# Altium PCB N-CW7Rev00.PcbDoc (part 3 of 4)
Units mm, origin at the board's own origin, x right, y up, seen from the top; angles counter-clockwise.
Board outline 137.9 x 91 mm, 2 copper layers (Top Layer, Bottom Layer), stack 1.54 mm thick; 332 components, 212 nets, 959 pads, 533 vias.
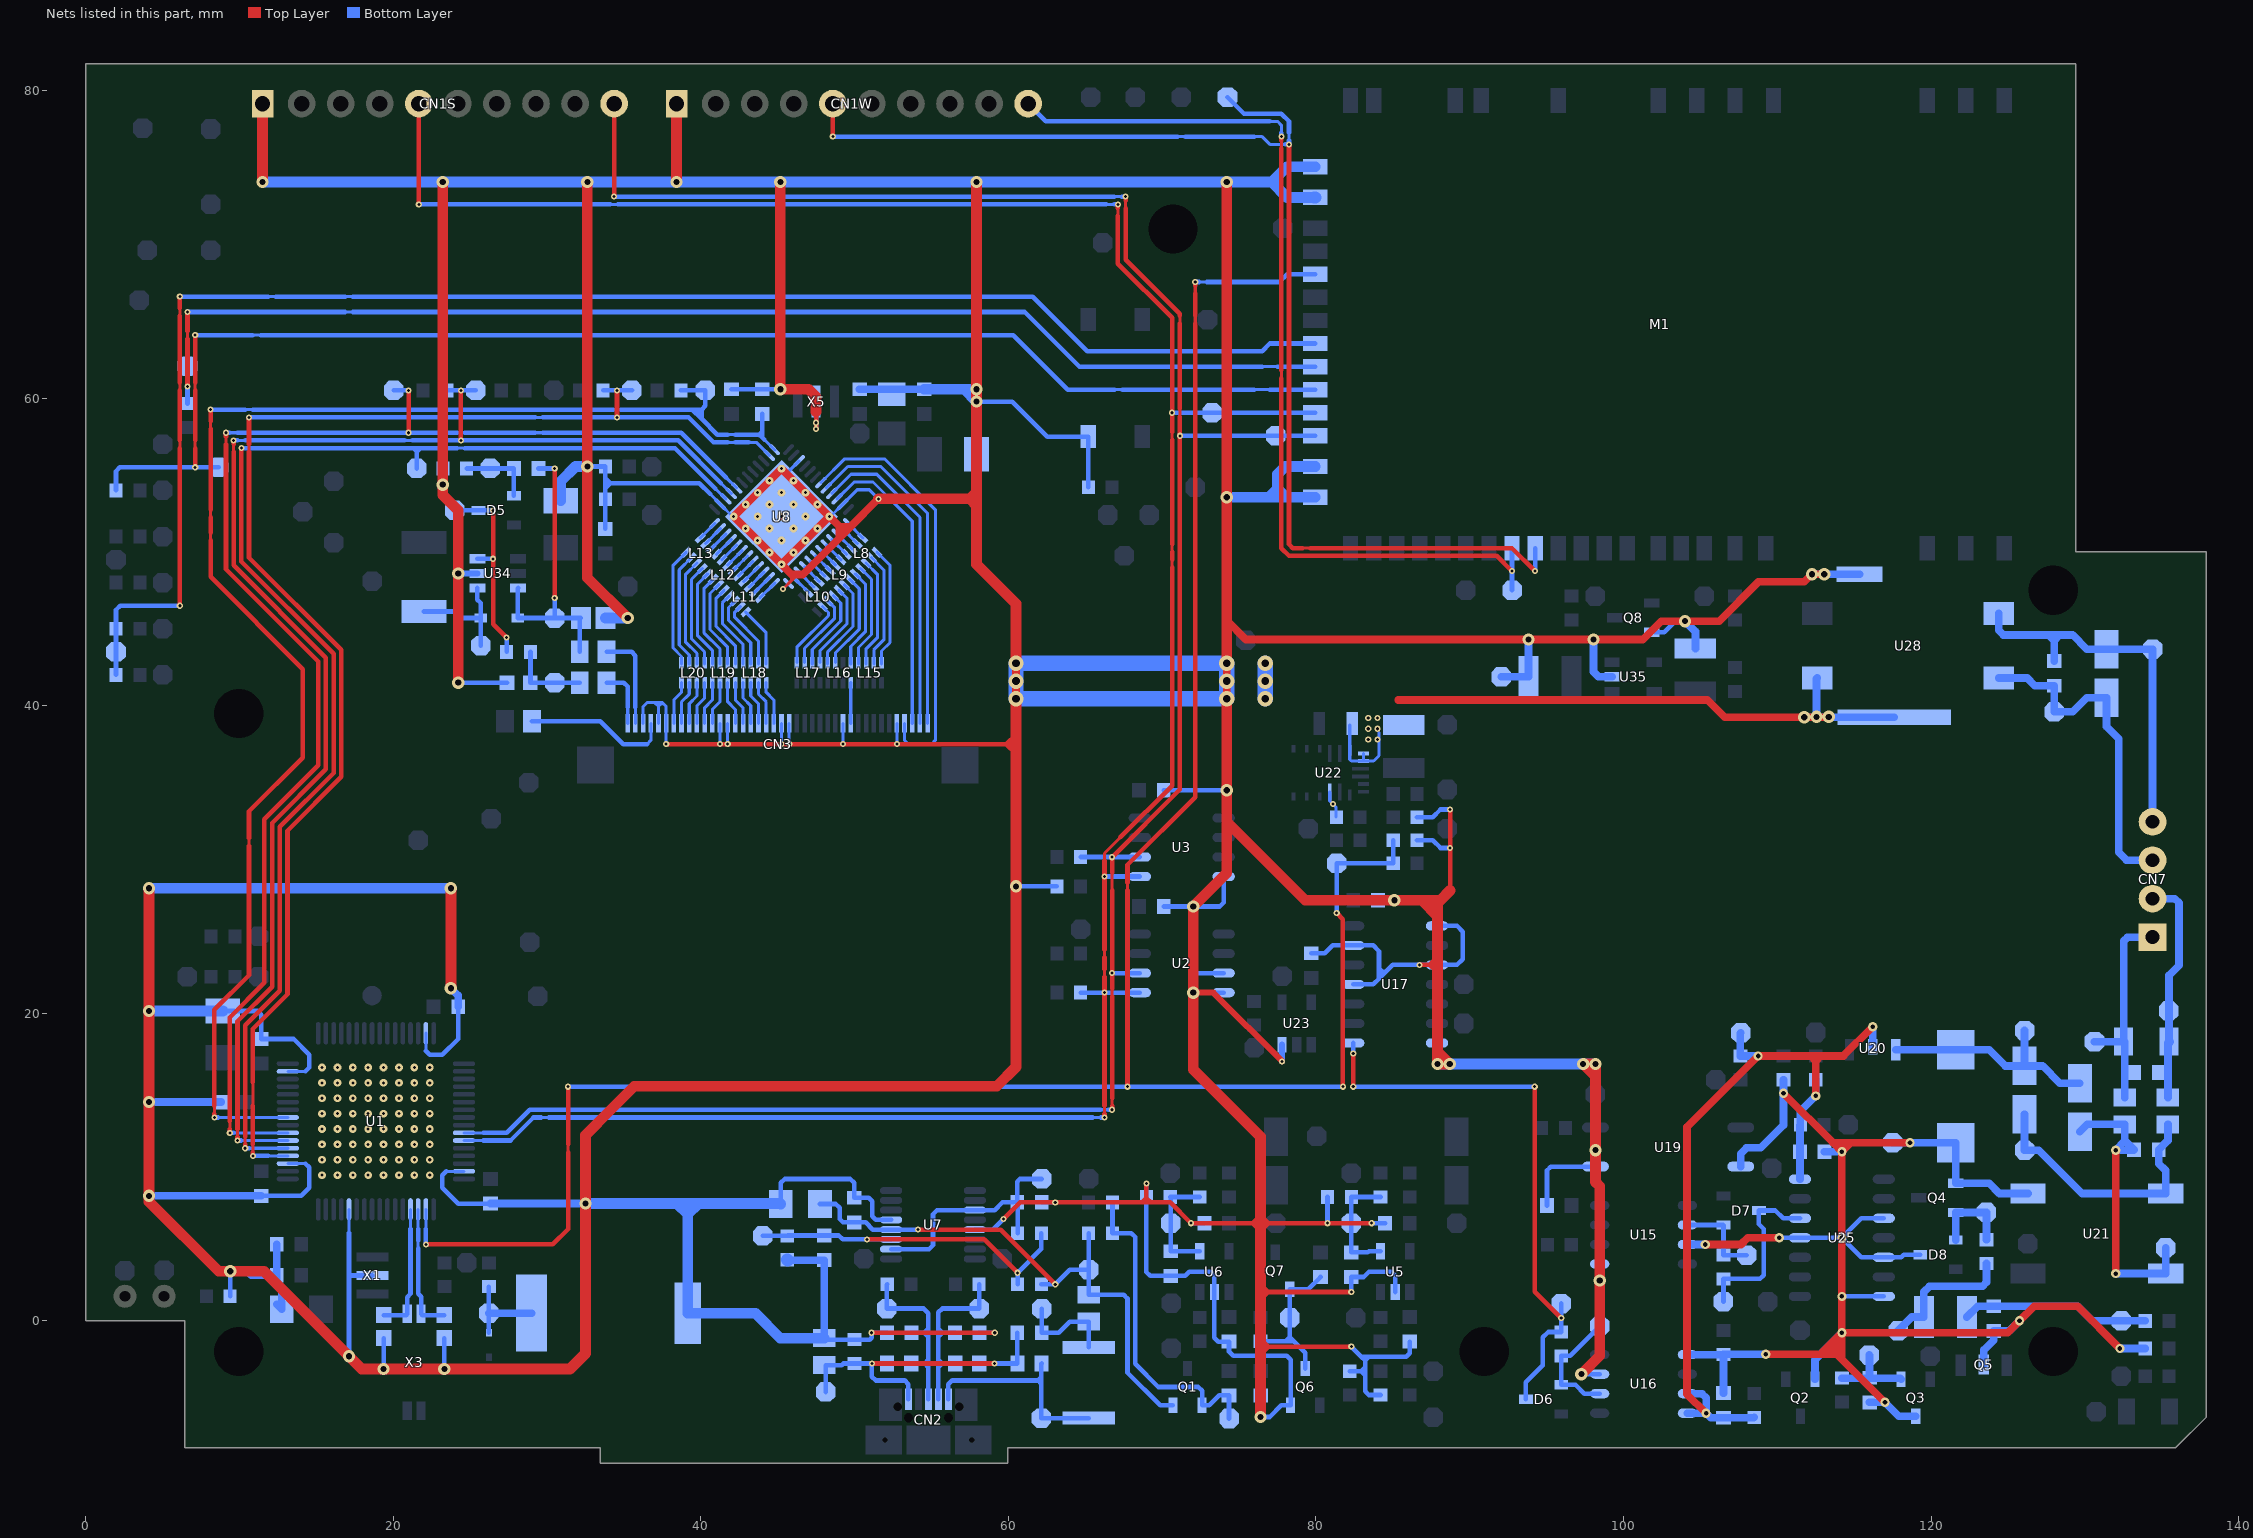
[diagram p3: the nets of this part, all layers, seen from the top]

## Via types
v1: diameter 0.4, hole 0.2, Top Layer to Bottom Layer, tented both sides, 308 vias
v2: diameter 0.8, hole 0.4, Top Layer to Bottom Layer, tented both sides, 104 vias
v3: diameter 0.5, hole 0.2, Top Layer to Bottom Layer, tented both sides, 64 vias
v4: diameter 0.5, hole 0.2, Top Layer to Bottom Layer, 25 vias
v5: diameter 0.6, hole 0.3, Top Layer to Bottom Layer, tented both sides, 20 vias
v6: diameter 1, hole 0.5, Top Layer to Bottom Layer, tented both sides, 12 vias

## Nets (pads, with @x,y where several pads share a name; then routed paths per layer and width w, separated by ;. In a path a pad name is that pad's centre, name@x,y a point inside that pad or via, vN(x,y) a via of type N, cw(c..) or ccw(c..) an arc to the next point about the centre after c; other vN are vias at no path point) (continued)
FT800_G2: CN3.15 L19.6 | length 2.9
  Bottom Layer w0.2: L19.6@41.75,41.5 41.75,40.25 42.25,39.75 CN3.15@42.25,38.85
FT800_G3: CN3.16 L19.5 | length 2.9
  Bottom Layer w0.2: L19.5@42.25,41.5 42.25,40.375 42.75,39.875 CN3.16@42.75,38.85
FT800_G4: CN3.17 L18.8 | length 2.9
  Bottom Layer w0.2: L18.8@42.75,41.5 42.75,40.5 43.25,40 CN3.17@43.25,38.85
FT800_G5: CN3.18 L18.7 | length 2.9
  Bottom Layer w0.2: L18.7@43.25,41.5 43.25,40.625 43.75,40.125 CN3.18@43.75,38.85
FT800_G6: CN3.19 L18.6 | length 2.9
  Bottom Layer w0.2: L18.6@43.75,41.5 43.75,40.75 44.25,40.25 CN3.19@44.25,38.85
FT800_G7: CN3.20 L18.5 | length 2.9
  Bottom Layer w0.2: L18.5@44.25,41.5 44.25,40.875 44.75,40.375 CN3.20@44.75,38.85
FT800_INT#: R31.2 TP05.1 U1.20 U8.11 | length 93.6
  Top Layer w0.2: 10.625,56.5 10.625,57 ; 10.875,10.975 10.875,11.475 ; 10.875,13.975 10.875,15.525
  Top Layer w0.3: 10.625,56.5 10.625,49.625 16.625,43.625 16.625,35.375 13.125,31.875 13.125,21.225 10.875,18.975 10.875,15.525 ; 10.625,57 v1(10.625,58.75) ; v1(10.875,10.725) 10.875,10.975 ; 10.875,11.475 10.875,13.975 ; v1(34.55,58.75) v1(34.55,60.5)
  Bottom Layer w0.2: 11.875,10.725 U1.20@13.15,10.725 ; 29.225,58.75 29.725,58.75 ; 41.75,57.125 42.25,57.125 ; 43.125,57.125 43.607,57.125 U8.11@44.455,56.277
  Bottom Layer w0.3: v1(10.625,58.75) 29.225,58.75 ; v1(10.875,10.725) 11.875,10.725 ; 29.725,58.75 v1(34.55,58.75) 39.2,58.75 40.825,57.125 41.75,57.125 ; R31.2@33.65,60.5 v1(34.55,60.5) TP05.1@35.525,60.5 ; 42.25,57.125 43.125,57.125
FT800_MISO: R32.2 TP07.1 U1.22 U8.4 | length 92.6
  Top Layer w0.2: 9.625,56.5 9.625,57 ; 9.875,11.975 9.875,12.475
  Top Layer w0.3: 9.625,56.5 9.625,49.125 15.625,43.125 15.625,35.875 12.125,32.375 12.125,21.725 9.875,19.475 9.875,13.475 9.875,12.475 ; 9.625,57 v1(9.625,57.25) ; v1(9.875,11.725) 9.875,11.975 ; v1(24.4,57.25) v1(24.4,60.5)
  Bottom Layer w0.2: 9.875,57.25 10.375,57.25 ; 10.125,11.725 U1.22@13.15,11.725 ; 20.75,57.25 21.25,57.25 ; 41.304,54.479 U8.4@41.98,53.803
  Bottom Layer w0.3: v1(9.625,57.25) 9.875,57.25 ; v1(9.875,11.725) 10.125,11.725 ; 10.375,57.25 20.75,57.25 ; 21.25,57.25 v1(24.4,57.25) 38.532,57.25 41.304,54.479 ; R32.2@23.5,60.5 v1(24.4,60.5) TP07.1@25.375,60.5
FT800_MOSI: TP08.1 U1.23 U8.5 | length 92.6
  Top Layer w0.2: 9.125,57 9.125,57.5 ; 9.375,12.475 9.375,12.975
  Top Layer w0.3: 9.125,57 9.125,48.875 15.125,42.875 15.125,36.125 11.625,32.625 11.625,21.975 9.375,19.725 9.375,12.975 ; 9.125,57.5 v1(9.125,57.75) ; v1(9.375,12.225) 9.375,12.475 ; v1(21,57.75) v1(21,60.5)
  Bottom Layer w0.2: 9.375,57.75 9.875,57.75 ; 9.625,12.225 11.875,12.225 U1.23@13.15,12.225 ; 24.15,57.75 24.65,57.75 ; 29.225,57.75 29.725,57.75 ; 41.657,54.832 U8.5@42.333,54.156
  Bottom Layer w0.3: v1(9.125,57.75) 9.375,57.75 ; v1(9.375,12.225) 9.625,12.225 ; 9.875,57.75 24.15,57.75 ; TP08.1@20.025,60.5 v1(21,60.5) ; 24.65,57.75 29.225,57.75 ; 29.725,57.75 38.739,57.75 41.657,54.832
FT800_PCLK: CN3.30 L16.5 | length 2.7
  Bottom Layer w0.2: CN3.30@49.75,38.85 L16.5@49.75,41.5
FT800_PD#: C34.2 R30.1 TP22.1 U1.25 U8.12 | length 100.1
  Top Layer w0.2: 8.125,50.75 8.125,51.25 ; 8.125,52.25 8.125,52.75 ; 8.125,58 8.125,58.5 ; 8.375,13.475 8.375,13.975 ; 10.625,30.875 10.625,31.375
  Top Layer w0.3: 8.125,48.6 8.125,48.375 ; 8.125,50.75 8.125,48.375 ; 8.125,51.25 8.125,52.25 ; 8.125,52.75 8.125,58 ; 8.125,58.5 v1(8.125,59.25) ; v1(8.375,13.225) 8.375,13.475 ; 8.375,13.975 8.375,20.225 10.625,22.475 10.625,30.875 ; 10.625,31.375 10.625,33.125 14.125,36.625 14.125,42.375 8.125,48.375
  Bottom Layer w0.2: 8.625,13.225 U1.25@13.15,13.225 ; 10.375,59.25 10.875,59.25 ; 34.3,59.25 34.8,59.25 ; 41.75,57.625 42.25,57.625 ; 44.132,57.307 U8.12@44.808,56.631
  Bottom Layer w0.3: v1(8.125,59.25) 10.375,59.25 ; v1(8.375,13.225) 8.625,13.225 ; 10.875,59.25 34.3,59.25 ; 34.8,59.25 39.45,59.25 ; R30.1@38.7,60.5 TP22.1@40.3,60.5 40.3,59.5 40.05,59.25 ; 40.113,58.588 40.05,58.65 ; 41.75,57.625 41.075,57.625 40.05,58.65 ; 42.25,57.625 43.814,57.625 ; C34.2@44,58.975 44,57.811 ; 44.132,57.307 44,57.439 ; 39.45,59.25 39.75,59.25 ; 39.45,59.25 40.05,58.65 ; 39.75,59.25 40.05,59.25 ; 39.75,59.25 40.05,58.95 ; 40.05,58.65 40.05,58.95 ; 40.05,58.95 40.05,59.25 ; 43.814,57.625 44,57.439 ; 43.814,57.625 44,57.811 ; 44,57.439 44,57.811
FT800_R2: CN3.7 L20.8 | length 2.9
  Bottom Layer w0.2: CN3.7@38.25,38.85 38.25,40.375 38.75,40.875 L20.8@38.75,41.5
FT800_R3: CN3.8 L20.7 | length 2.9
  Bottom Layer w0.2: CN3.8@38.75,38.85 38.75,40.25 39.25,40.75 L20.7@39.25,41.5
FT800_R4: CN3.9 L20.6 | length 2.9
  Bottom Layer w0.2: CN3.9@39.25,38.85 39.25,40.125 39.75,40.625 L20.6@39.75,41.5
FT800_R5: CN3.10 L20.5 | length 2.9
  Bottom Layer w0.2: CN3.10@39.75,38.85 39.75,40 40.25,40.5 L20.5@40.25,41.5
FT800_R6: CN3.11 L19.8 | length 2.9
  Bottom Layer w0.2: CN3.11@40.25,38.85 40.25,39.875 40.75,40.375 L19.8@40.75,41.5
FT800_R7: CN3.12 L19.7 | length 2.9
  Bottom Layer w0.2: CN3.12@40.75,38.85 40.75,39.75 41.25,40.25 L19.7@41.25,41.5
FT800_SCK: TP06.1 U1.21 U8.3 | length 87.8
  Top Layer w0.2: 10.375,11.475 10.375,11.975
  Top Layer w0.3: v1(10.125,56.75) 10.125,49.375 16.125,43.375 16.125,35.625 12.625,32.125 12.625,21.475 10.375,19.225 10.375,11.975 ; v1(10.375,11.225) 10.375,11.475
  Bottom Layer w0.2: 10.625,11.225 10.875,11.225 U1.21@13.15,11.225 ; 24.15,56.75 24.65,56.75 ; 40.95,54.125 U8.3@41.626,53.449
  Bottom Layer w0.3: v1(10.125,56.75) 21.325,56.75 ; v1(10.375,11.225) 10.625,11.225 ; TP06.1@21.525,55.425 21.525,56.5 ; 24.15,56.75 21.775,56.75 ; 24.65,56.75 38.325,56.75 40.95,54.125 ; 21.325,56.75 21.775,56.75 ; 21.325,56.75 21.525,56.55 21.525,56.5 ; 21.525,56.5 21.775,56.75
FT800_X+: CN3.37 U8.19 | length 27.7
  Bottom Layer w0.2: U8.19@47.813,54.51 49.354,56.05 51.95,56.05 55.25,52.75 55.25,37.75 55,37.5 53.5,37.5 53.25,37.75 CN3.37@53.25,38.85
FT800_X-: CN3.39 U8.21 | length 20.8
  Bottom Layer w0.2: U8.21@48.52,53.803 49.768,55.05 51.45,55.05 54.25,52.25 CN3.39@54.25,38.85
FT800_Y+: CN3.40 U8.20 | length 22.1
  Bottom Layer w0.2: U8.20@48.167,54.156 49.561,55.55 51.7,55.55 54.75,52.5 CN3.40@54.75,38.85
FT800_Y-: CN3.38 U8.22 | length 19.5
  Bottom Layer w0.2: U8.22@48.874,53.449 49.975,54.55 51.2,54.55 53.75,52 CN3.38@53.75,38.85
FTDI_RX: CN1W.5 M1.C9 TP118.1 | length 82.4
  Top Layer w0.2: 79.125,50.25 79.625,50.25
  Top Layer w0.3: v1(48.585,77) CN1W.5@48.585,79.15 ; v1(78.25,76.5) 78.25,50.5 78.5,50.25 79.125,50.25 ; 79.625,50.25 92.75,50.25 v1(94.25,48.75)
  Bottom Layer w0.2: 71,77 71.5,77 ; 76,77 76.5,77 77,76.5 78,76.5 ; 78.25,76.75 78.25,77.25
  Bottom Layer w0.3: v1(48.585,77) 71,77 ; 71.5,77 76,77 ; TP118.1@74.25,79.575 75.325,78.5 77.75,78.5 78.25,78 78.25,77.25 ; 78,76.5 v1(78.25,76.5) 78.25,76.75 ; v1(94.25,48.75) M1.C9@94.25,50.25
FTDI_TX: CN1W.10 M1.C8 TP122.1 | length 63.4
  Top Layer w0.2: 77.75,61.3 77.75,61.8 ; 77.75,76.25 77.75,76.75
  Top Layer w0.3: 77.75,61.3 77.75,50.25 78.25,49.75 ; 77.75,61.8 77.75,62.8 77.75,76.25 ; 77.75,76.75 v1(77.75,77) ; 78.725,49.75 78.25,49.75 ; v1(92.75,48.75) 91.75,49.75 78.25,49.75
  Bottom Layer w0.2: 77,78 77.5,78 77.75,77.75 77.75,77.25
  Bottom Layer w0.3: CN1W.10@61.285,79.15 62.435,78 77,78 ; v1(77.75,77) 77.75,77.25 ; TP122.1@92.75,47.5 v1(92.75,48.75) M1.C8@92.75,50.25
GND: C1.2 C2.2 C3.2 C4.2 C5.2 C6.2 C7.1 C8.1 C9.2 C10.2 C11.2 C12.1 C13.1 C14.1 C16.1 C17.1 C18.1 C19.1 C20.2 C22.2 C23.1 C24.2 C25.1 C26.1 C28.2 C29.1 C30.1 C31.1 C32.2 C33.2 C34.1 C35.2 C36.2 C38.2 C50.1 C52.2 C61.1 C62.1 C74.2 C75.2 C81.1 C82.1 C83.2 CN1S.1 CN1W.1 CN3.3 CN3.5 CN3.6 CN3.13 CN3.14 CN3.21 CN3.22 CN3.29 CN3.36 L7.1 M1.A1 M1.A2 M1.A13 M1.A14 Q6.2 Q8.2 R3.1 R5.1 R13.1 R15.1 R18.1 R20.1 R27.1 R33.2 R34.2 R35.1 R37.1 R92.1 R95.2 R96.1 R102.2 R105.1 SW1B.2 TP180.1 U1.12 U1.19 U1.31 U1.47 U1.63 U2.3 U2.4 U3.4 U5.2 U6.2 U7.5 U7.13 U8.2 U8.15 U8.23 U8.36 U8.49 U15.5 U16.3 U17.1 U17.3 U17.7 U17.11 U17.13 U19.3 U22.3 U22.12 U22.13 U22.14 U23.3 U28.4 U34.2 U35.2 X1.2 X5.2 | length 1082
  Top Layer w0.2: v1(45.35,47.592) 45.914,48.155 ; 45.914,48.525 45.914,48.155 ; 46.283,48.525 45.914,48.155
  Top Layer w0.3: v1(37.75,37.5) 59.875,37.5 ; v1(47.5,58) v1(47.5,58.4) 47.5,59.119 ; v1(51.11,-0.775) v1(59.115,-0.775) ; v1(59.675,6.615) 60.76,7.7 v1(63.05,7.7) 68.7,7.7 ; 60.5,36.875 59.875,37.5 ; 60.5,37.5 59.875,37.5 ; 60.5,38.625 60.5,38.125 59.875,37.5 ; v1(68.975,8.925) 68.975,7.975 ; 69.612,7.7 69.25,7.7 ; 76.4,-2.175 76.9,-1.675 ; 76.4,-0.675 76.4,-1.175 76.9,-1.675 ; 76.4,1.25 76.4,1.375 76.9,1.875 ; 76.4,2.375 76.9,1.875 ; 76.4,5.925 76.475,5.925 ; v1(82.3,-1.675) 76.9,-1.675 ; v1(82.3,1.875) 76.9,1.875 ; v1(83.625,6.35) v1(80.75,6.35) 76.9,6.35 ; v1(86.725,23.145) 87.395,23.145 ; 87.9,22.55 87.9,22.64 87.395,23.145 ; 87.9,23.65 87.395,23.145 ; 88.725,27.975 v1(88.725,30.75) v1(88.725,33.25) ; 68.7,7.7 69.25,7.7 ; 68.7,7.7 68.975,7.975 ; 68.975,7.975 69.25,7.7 ; 69.25,7.7 70.525,7.7 v1(71.875,6.35) 75.9,6.35 ; 75.9,6.35 76.4,5.85 76.475,5.925 ; 75.9,6.35 76.325,6.775 ; 76.325,6.775 76.4,6.85 76.475,6.775 ; 76.325,6.775 76.4,6.775 76.475,6.775 ; 76.475,5.925 76.9,6.35 ; 76.475,6.775 76.9,6.35
  Top Layer w0.4: v2(72.025,21.34) 73.335,21.34 v1(77.8,16.875)
  Top Layer w0.5: v1(51.55,53.45) 49.736,51.636 ; v6(60.5,40.45) v6(60.5,42.75) v6@60.5,42.95 ; v6(74.2,41.6) v6(74.2,40.45) v6(74.2,42.75) v6@74.2,42.95 ; 74.2,45.55 75.45,44.3 v2(98.05,44.3) 101.25,44.3 102.45,45.5 v2(104,45.5) 106.225,45.5 108.775,48.05 111.75,48.05 v2(112.25,48.55) v2(113.05,48.55) ; 85.35,40.375 105.45,40.375 106.575,39.25 v2(111.75,39.25) 113.325,39.25 v2(113.35,39.275) ; v4(45.25,49.189) 45.914,48.525 46.283,48.525 46.625,48.525 49.025,50.925 ; v4(45.25,49.189) v4(43.694,50.744) v4(42.139,52.3) v4(43.694,53.856) v4(45.25,55.411) v4(48.361,52.3) ; v4(45.25,49.189) v4(48.361,52.3) ; v4(48.361,52.3) 49.025,51.636 ; 49.025,50.925 49.736,51.636 ; 49.025,50.925 49.025,51.636 ; 49.025,51.636 49.736,51.636
  Top Layer w0.7: v2(4.125,28.125) v2(4.125,20.15) v2(4.125,14.225) 4.125,7.75 8.65,3.225 v2(9.4,3.225) 11.6,3.225 17.95,-3.125 v2(23.325,-3.125) 31.5,-3.125 32.5,-2.125 v2(32.5,7.625) 32.5,12.075 34.15,13.725 35.675,15.25 59.25,15.25 60.5,16.5 v2(60.5,28.25) 60.5,36.875 60.5,37.5 60.5,38.125 v6(60.5,40.45) ; v2(11.505,74.05) CN1S.1@11.505,79.15 ; v2(23.225,74.05) 23.225,53.7 24.225,52.7 v2(24.225,48.6) v2(24.225,41.5) ; v2(23.75,21.625) v2(23.75,28.125) ; v2(32.625,74.05) v2(32.625,55.55) 32.625,48.325 v2(35.25,45.7) ; v2(38.425,74.05) CN1W.1@38.425,79.15 ; v2(45.175,74.05) v2(45.175,60.575) 47,60.575 47.5,60.075 47.5,59.119 ; v1(51.55,53.45) 57.5,53.45 ; v2(57.925,74.05) v2(57.925,60.575) 57.925,53.875 ; v6@60.5,42.95 60.5,46.623 60.501,46.624 57.925,49.2 57.925,53.025 ; v6(74.2,40.45) v2(74.2,34.5) 74.2,32.45 ; v6@74.2,42.95 74.2,45.55 v2(74.2,74.05) ; v2(76.4,-6.25) 76.4,-2.175 76.4,-1.175 76.4,1.25 ; 76.4,1.375 76.4,2.375 76.4,5.85 76.4,5.925 76.4,6.775 76.4,6.85 76.4,11.975 72.025,16.35 v2(72.025,21.34) v2(72.025,26.945) 74.2,29.12 74.2,32.45 ; 87.9,17.925 87.9,17.5 ; 87.9,22.55 87.9,17.5 ; 87.9,22.64 87.9,23.65 87.9,26.325 ; 88.725,27.975 88.1,27.35 ; v2(97.26,-3.465) 98.45,-2.275 v2(98.45,2.625) 98.45,8.75 98.175,9.025 v2(98.175,11.1) 98.175,15.9 ; 57.5,53.45 57.925,53.025 ; 57.5,53.45 57.925,53.875 ; 57.925,53.025 57.925,53.875 ; 74.2,32.45 79.3,27.35 v2(85.1,27.35) 86.875,27.35 ; 86.875,27.35 88.1,27.35 ; 86.875,27.35 87.9,26.325 ; 87.9,17.5 v2(87.9,16.7) v2(88.7,16.7) 87.9,17.5 ; 87.9,26.325 87.9,27.15 88.1,27.35 ; 98.175,15.9 v2(98.175,16.7) v2(97.375,16.7) 98.175,15.9
  Bottom Layer w0.2: U1.19@13.15,10.225 14.3,10.225 ; U1.31@13.15,16.225 14.3,16.225 ; 17.125,5.725 U1.12@17.125,7.25 ; 22.125,17.55 U1.47@22.125,18.7 ; 23.45,9.725 U1.63@24.6,9.725 ; CN3.3@36.25,38.85 36.25,39.95 36.5,40.2 37,40.2 ; CN3.5@37.25,38.85 37.25,39.95 ; 37.25,40.2 37.25,39.95 ; v1(37.75,37.5) CN3.6@37.75,38.85 37.75,39.95 37.5,40.2 ; 40.597,53.771 U8.2@41.273,53.095 42.068,52.3 v4(42.139,52.3) ; v1(41.25,37.5) CN3.13@41.25,38.85 ; v1(41.75,37.5) CN3.14@41.75,38.85 ; v1(45.25,37.5) CN3.21@45.25,38.85 ; v1(45.35,47.592) U8.36@45.71,47.951 ; U8.49@45.723,55.248 U8.15@46.399,55.924 ; v1(45.75,37.5) CN3.22@45.75,38.85 ; v4(48.361,52.3) 48.432,52.3 U8.23@49.227,53.095 50.173,54.041 ; v1(49.25,37.5) CN3.29@49.25,38.85 ; 50.173,54.05 50.173,54.041 ; v1(51.55,53.45) 50.959,54.041 50.173,54.041 ; v1(52.75,37.5) CN3.36@52.75,38.85 ; U22.3@80.9,34.4 80.9,33.8 81.3,33.4 R95.2@81.3,32.75 ; C61.1@82.2,38.75 82.2,36.5 82.3,36.4 83.75,36.4 84.1,36.75 84.1,37.35 84.1,38.25 ; U22.14@83.1,36.4 U22.13@83.1,36.9 ; 37,40.2 37.5,40.2 ; 37,40.2 37.25,39.95 ; 37.25,39.95 37.5,40.2
  Bottom Layer w0.3: C9.2@8.925,20.15 11.175,20.15 11.425,19.9 C1.2@11.425,18.325 13.525,18.325 14.55,17.3 14.55,16.475 14.3,16.225 ; R5.1@9.4,1.6 v2(9.4,3.225) ; C4.2@11.425,8.125 14.027,8.125 14.55,8.648 14.55,9.975 14.3,10.225 ; v2(17.125,-2.3) 17.125,2.825 ; 17.125,5.725 17.125,3.075 ; X1.2@18.65,2.95 17.25,2.95 ; v2(19.375,-3.125) C7.1@19.375,-1.125 ; 22.125,17.55 22.375,17.3 23.2,17.3 24.225,18.325 C2.2@24.225,20.425 ; v2(23.225,54.375) R35.1@23.225,55.425 ; v2(23.325,-3.125) C6.2@23.325,-1.125 ; 23.45,9.725 23.2,9.475 23.2,8.65 24.225,7.625 C3.2@26.325,7.625 ; v2(24.225,41.5) R37.1@27.4,41.5 ; C35.2@30.9,53.325 C35.2@31,53.425 ; v2(32.625,55.55) R33.2@33.8,55.55 33.8,54.8 ; C36.2@33.8,51.5 R34.2@33.8,53.425 33.8,54.15 ; 33.8,54.9 33.8,54.8 ; 40.597,53.771 39.893,54.475 34.125,54.475 ; C29.1@42,60.575 C34.1@44,60.575 v2(45.175,60.575) ; C28.2@45.2,7.6 45.2,8.975 45.45,9.225 49.725,9.225 49.975,8.975 C22.2@49.975,8 50.925,8 51.15,7.775 51.15,6.8 51.382,6.568 U7.13@52.375,6.568 ; v1(47.5,58) v1(47.5,58.4) X5.2@47.5,59.775 ; L7.1@48.025,-1.125 48.125,-1.225 R92.1@50,-1.225 50.975,-1.225 51.11,-1.09 v1(51.11,-0.775) C25.1@52.1,-0.775 ; U7.5@57.825,5.933 58.992,5.933 v1(59.675,6.615) ; v2(57.925,59.775) 60.25,59.775 62.525,57.5 SW1B.2@65.2,57.5 R105.1@65.2,54.2 ; C26.1@58.125,-0.775 v1(59.115,-0.775) ; v2(60.5,28.25) R3.1@63.15,28.25 ; C23.1@62.175,7.7 v1(63.05,7.7) ; v1(68.975,8.925) R18.1@68.975,8.05 68.975,3.175 69.225,2.925 C75.2@70.55,2.925 71.5,2.925 71.775,3.2 73.15,3.2 73.4,2.95 U6.2@73.4,1.875 73.4,-1.1 73.65,-1.35 C19.1@74.35,-1.35 74.35,-2 74.625,-2.275 78.1,-2.275 78.35,-2.525 Q6.2@78.35,-5.5 77.75,-5.5 77,-6.25 v2(76.4,-6.25) C20.2@76.4,-4.85 ; C13.1@70.1,26.945 v2(72.025,26.945) 73.745,26.945 74,27.2 U3.4@74,28.89 ; C14.1@70.1,34.5 v2(74.2,34.5) ; v1(71.875,6.35) C18.1@72.75,6.35 ; U2.4@74,21.34 v2(72.025,21.34) 72.025,22.35 72.285,22.61 U2.3@74,22.61 ; C83.2@79.7,23.9 80.575,23.9 81.09,24.415 U17.13@82.425,24.415 83.725,24.415 84.1,24.04 84.1,22.925 ; v1(80.75,6.35) R13.1@80.75,8.05 ; R20.1@82.2,-3.275 82.95,-3.275 ; v1(82.3,-1.675) 82.95,-2.325 ; v1(82.3,1.875) C74.2@82.3,2.85 83.1,2.85 83.45,3.2 84.9,3.2 85.15,2.95 U5.2@85.15,1.875 ; U17.11@82.425,21.875 83.725,21.875 84.1,22.25 ; v1(83.625,6.35) C16.1@84.5,6.35 ; C52.2@84.025,27.35 v2(85.1,27.35) ; R102.2@84.2,-4.825 83.45,-4.825 83.2,-4.575 83.2,-3.525 ; C17.1@86.1,-1.35 86.1,-2.1 85.875,-2.325 83.45,-2.325 ; R15.1@86.575,31.25 87.6,31.25 88.1,30.75 v1(88.725,30.75) ; R96.1@86.575,32.75 87.6,32.75 88.1,33.25 v1(88.725,33.25) ; v2@87.875,16.725 U17.7@87.875,18.065 ; U17.1@87.875,25.685 89.175,25.685 89.55,25.31 89.55,23.52 89.175,23.145 U17.3@87.875,23.145 84.995,23.145 84.548,22.698 ; C50.1@95.025,7.5 95.025,9.775 95.28,10.03 U19.3@98.175,10.03 v2(98.175,11.1) ; v2(97.26,-3.465) U16.3@98.45,-3.465 ; v2(98.45,2.625) U15.5@98.45,3.695 ; Q8.2@101.825,44.775 102.65,44.775 103.375,45.5 v2(104,45.5) ; 17.125,2.825 17.125,3.075 ; 17.125,2.825 17.25,2.95 ; 17.125,3.075 17.25,2.95 ; 33.8,54.15 33.8,54.8 ; 33.8,54.15 34.125,54.475 ; 33.8,54.8 34.125,54.475 ; 82.95,-3.275 83.2,-3.025 ; 82.95,-3.275 83.2,-3.525 ; 82.95,-2.325 83.2,-2.575 ; 82.95,-2.325 83.45,-2.325 ; 83.2,-3.525 83.2,-3.025 ; 83.2,-3.025 83.2,-2.575 ; 83.2,-2.575 83.45,-2.325 ; 84.1,22.25 84.548,22.698 ; 84.1,22.25 84.1,22.925 ; 84.1,22.925 84.328,22.698 84.548,22.698
  Bottom Layer w0.4: v2(24.225,48.6) U34.2@25.475,48.6 ; v1(77.8,16.875) U23.3@77.8,17.96
  Bottom Layer w0.5: v2(4.125,8.125) C4.2@11.425,8.125 ; v2(4.125,14.225) C12.1@8.825,14.225 ; v2(9.4,3.225) 10.525,3.225 10.775,2.975 C5.2@12.425,2.975 ; C10.2@12.425,1.075 C10.2@12.75,0.75 12.75,1.975 12.425,2.3 C5.2@12.425,2.975 ; C8.1@12.425,4.975 C5.2@12.425,2.975 ; v2(23.75,21.625) 24.225,21.15 C2.2@24.225,20.425 ; C3.2@26.325,7.625 v2(32.5,7.625) ; R27.1@45.65,3.95 C24.2@48.025,3.95 L7.1@48.025,-1.125 ; C31.1@50.325,60.575 C30.1@54.525,60.575 ; v2@87.875,16.725 v2(87.9,16.7) ; U17.7@87.875,18.065 U17.7@87.9,18.04 ; TP180.1@92.05,41.875 C82.1@93.825,41.875 v2(93.825,44.3) ; v2(98.05,44.3) 98.05,42.2 98.375,41.875 U35.2@99.25,41.875 ; v2(104,45.5) 104.675,44.825 C81.1@104.675,43.725 ; v2(111.75,39.25) U28.4@117.6,39.25 ; v2(112.25,48.55) v2(113.05,48.55) U28.4@115.35,48.55 ; v2(112.55,39.275) 112.55,41.75 U28.4@112.6,41.8
  Bottom Layer w0.7: v2(4.125,20.15) C9.2@8.925,20.15 ; v2(4.125,28.125) v2(23.75,28.125) ; v2(11.505,74.05) v2(23.225,74.05) v2(32.625,74.05) v2(38.425,74.05) v2(74.2,74.05) 77.125,74.05 ; C35.2@30.9,53.325 30.9,54.6 31.85,55.55 v2(32.625,55.55) ; v2(32.5,7.625) 38.45,7.625 ; C38.2@33.8,45.7 v2(35.25,45.7) ; 39.15,7.025 39.15,6.925 ; C28.2@45.2,7.6 45.175,7.625 39.85,7.625 ; L7.1@48.025,-1.125 45.175,-1.125 43.55,0.5 C11.2@39.15,0.5 39.15,6.925 ; C30.1@54.525,60.575 57.125,60.575 ; C32.2@57.925,56.35 v2(57.925,59.775) ; v2(74.2,53.55) 76.95,53.55 ; 78.65,53.55 78.05,53.55 ; M1.A13@79.875,73.05 78.125,73.05 77.125,74.05 ; M1.A1@79.95,53.55 78.05,53.55 ; M1.A2@79.95,55.55 78,55.55 77.5,55.05 77.5,54.1 ; M1.A14@79.95,75.05 78.125,75.05 77.125,74.05 ; v2(87.9,16.7) v2(97.375,16.7) v2(98.175,16.7) ; 38.45,7.625 39.85,7.625 ; 38.45,7.625 39.15,6.925 ; 39.15,6.925 39.85,7.625 ; 57.125,60.575 v2(57.925,59.775) ; 57.125,60.575 v2(57.925,60.575) v2(57.925,59.775) ; 76.95,53.55 78.05,53.55 ; 76.95,53.55 77.5,54.1 ; 77.5,54.1 78.05,53.55